# Altium PCB multiplexor.PcbDoc (part 1 of 2) (continued)
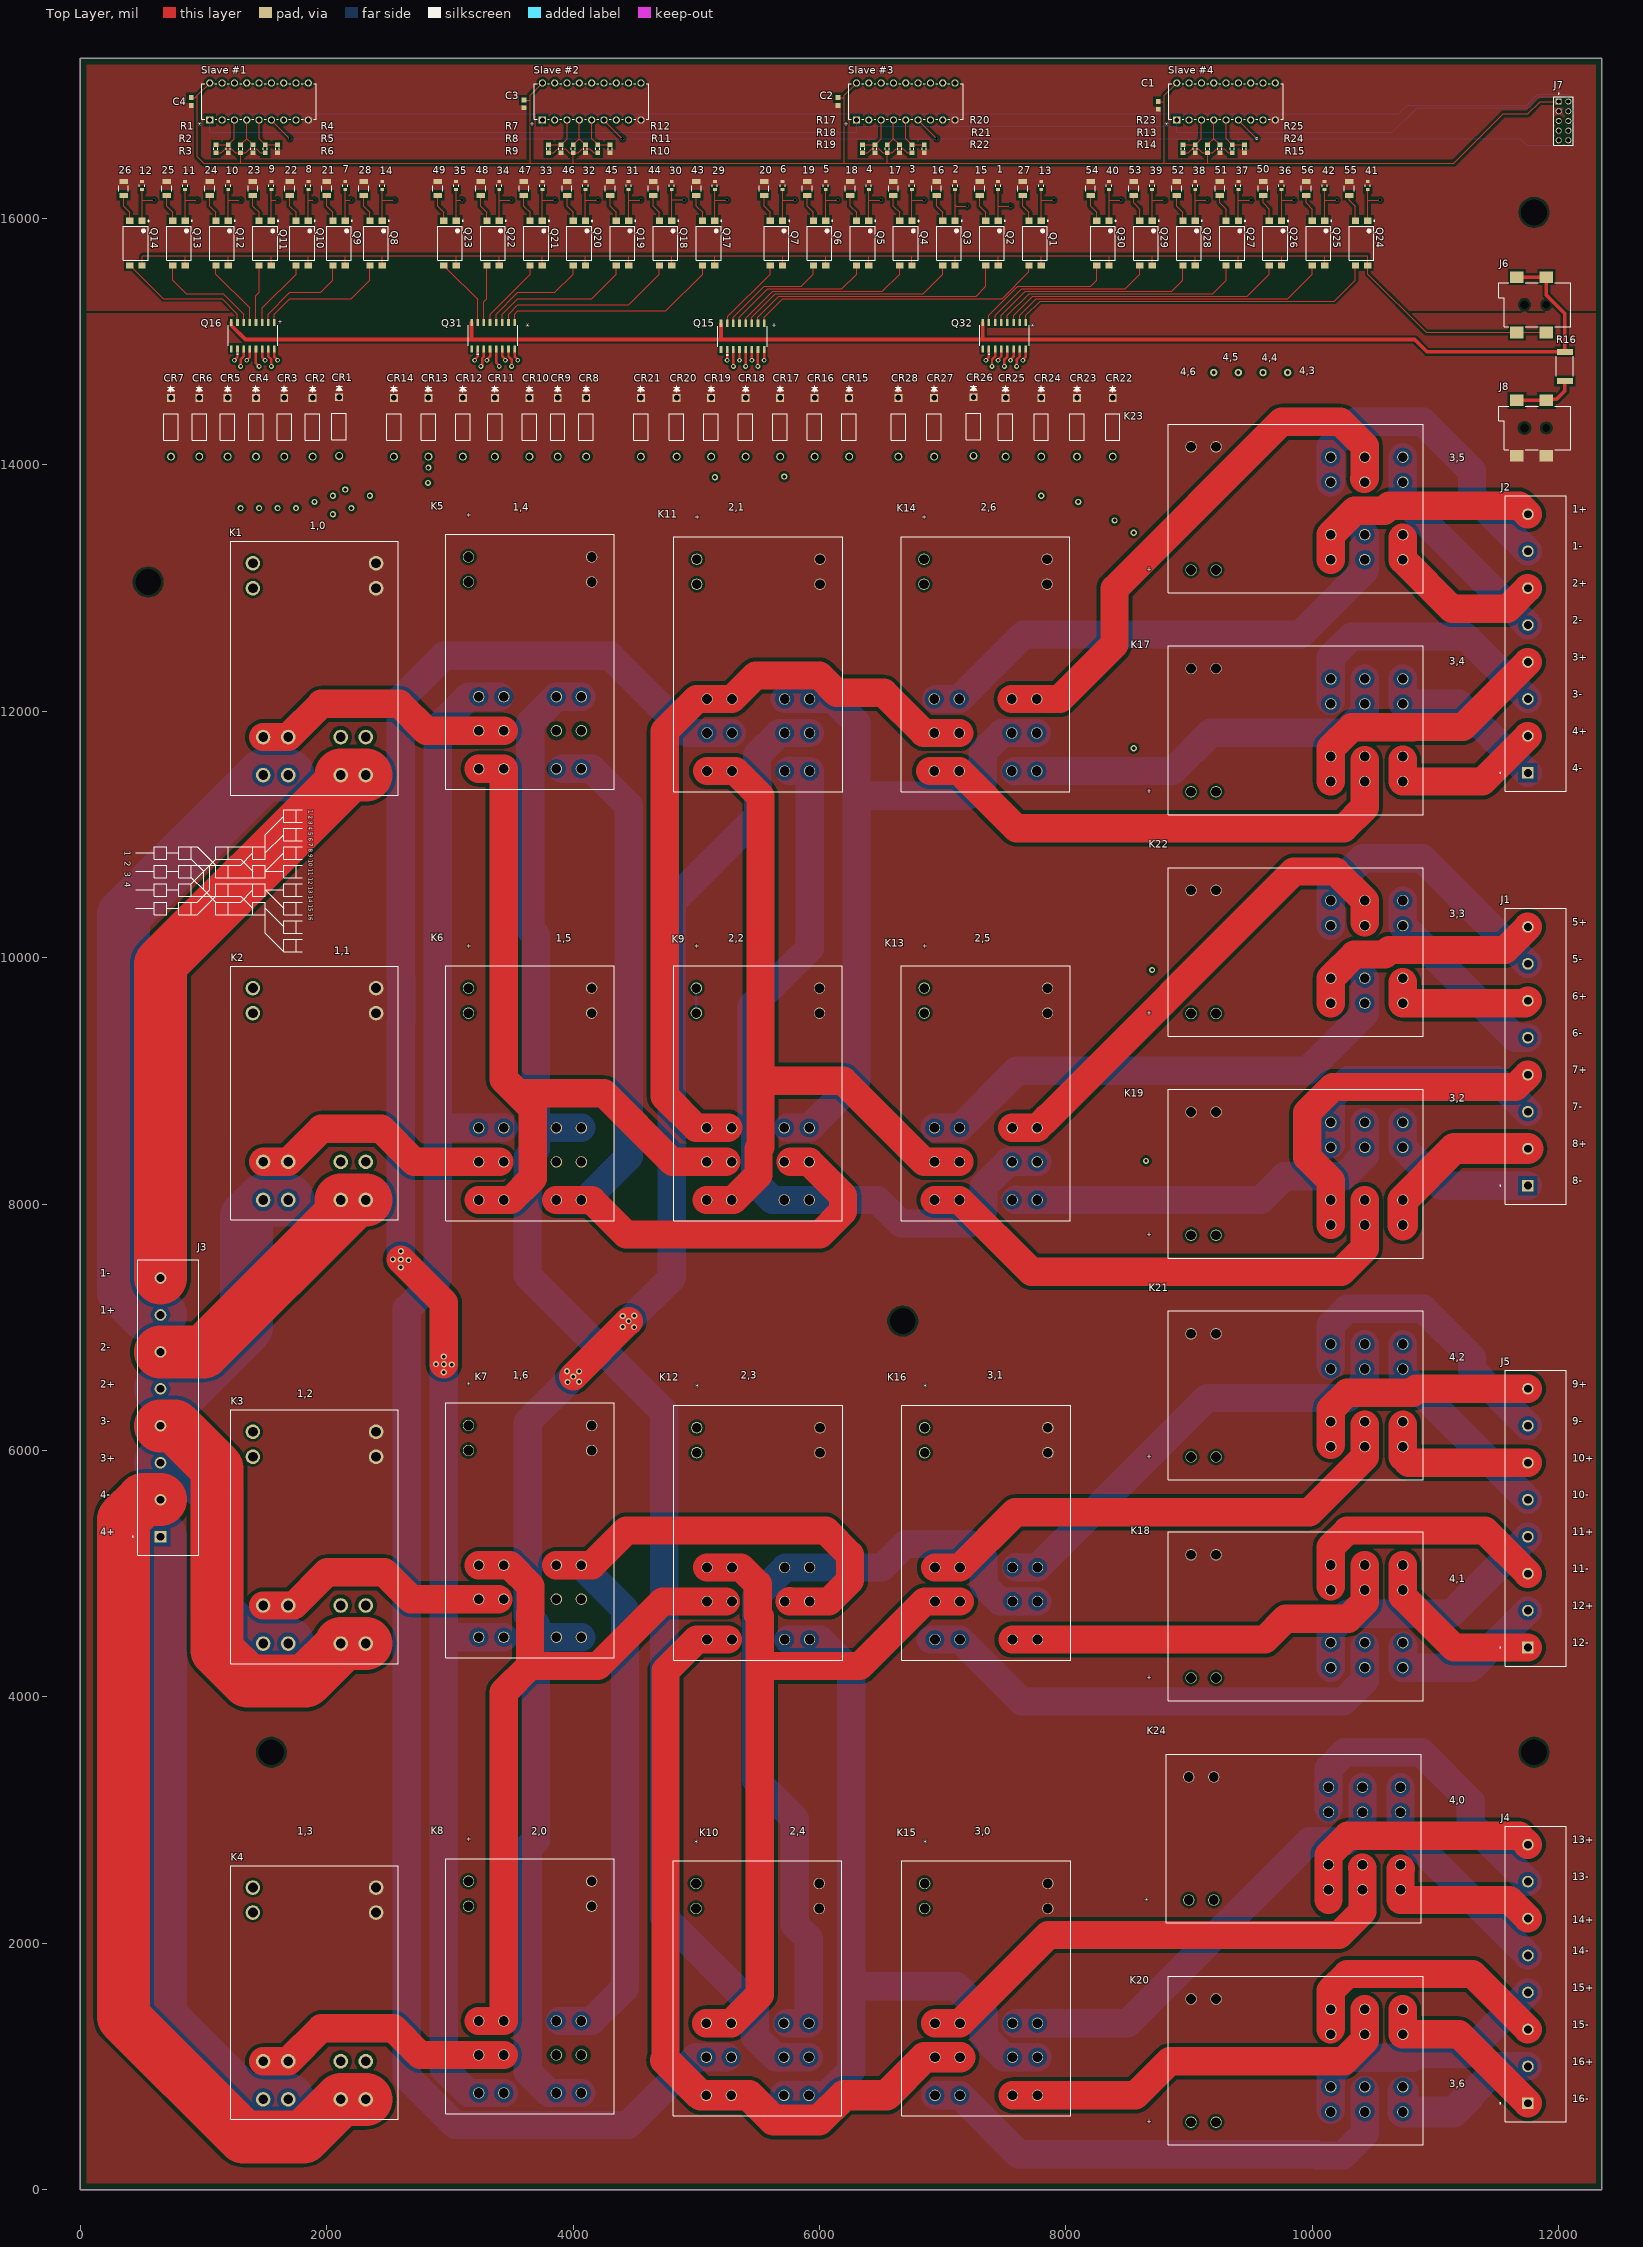
[diagram p0: Top Layer view]
## Classes and differential pairs
net class "High V wires": NetJ1_1 NetJ1_2 NetJ1_3 NetJ1_4 NetJ1_5 NetJ1_6 NetJ1_7 NetJ1_8 NetJ2_1 NetJ2_2 NetJ2_3 NetJ2_4 NetJ2_5 NetJ2_6 NetJ2_7 NetJ2_8 NetJ3_1 NetJ3_2 NetJ3_3 NetJ3_4 NetJ3_5 NetJ3_6 NetJ3_7 NetJ3_8 NetJ4_1 NetJ4_2 NetJ4_3 NetJ4_4 NetJ4_5 NetJ4_6 NetJ4_7 NetJ4_8 NetJ5_1 NetJ5_2 NetJ5_3 NetJ5_4 NetJ5_5 NetJ5_6 NetJ5_7 NetJ5_8 NetK1_4_1 NetK1_8_1 NetK2_4_1 NetK2_8_1 NetK3_4_1 NetK3_8_1 NetK4_4_1 NetK4_8_1 NetK5_3 NetK5_5 NetK5_11 NetK5_13 NetK7_3 NetK7_5 NetK7_11 NetK7_13 NetK9_3 NetK9_5 NetK9_11 NetK9_13 NetK10_3 NetK10_5 NetK10_11 NetK10_13 NetK13_3 NetK13_5 NetK13_11 NetK13_13 NetK14_3 NetK14_5 NetK14_11 NetK14_13 NetK15_3 NetK15_5 NetK15_11 NetK15_13 NetK16_3 NetK16_5 NetK16_11 NetK16_13
component class "relay isolation circuit": 1 2 3 4 5 6 7 8 9 10 11 12 13 14 15 16 17 18 19 20 21 22 23 24 25 26 27 28 29 30 31 32 33 34 35 36 37 38 39 40 41 42 43 44 45 46 47 48 49 50 51 52 53 54 55 56 CR1 CR2 CR3 CR4 CR5 CR6 CR7 CR8 CR9 CR10 CR11 CR12 CR13 CR14 CR15 CR16 CR17 CR18 CR19 CR20 CR21 CR22 CR23 CR24 CR25 CR26 CR27 CR28 Q1 Q2 Q3 Q4 Q5 Q6 Q7 Q8 Q9 Q10 Q11 Q12 Q13 Q14 Q15 Q16 Q17 Q18 Q19 Q20 Q21 Q22 Q23 Q24 Q25 Q26 Q27 Q28 Q29 Q30 Q31 Q32
component class "Relay I2C to GPIO": C1 C2 C3 C4 J6 J7 J8 R1 R2 R3 R4 R5 R6 R7 R8 R9 R10 R11 R12 R13 R14 R15 R16 R17 R18 R19 R20 R21 R22 R23 R24 R25 "Slave #1" "Slave #2" "Slave #3" "Slave #4"
component class "multiplexor circuit": J1 J2 J3 J4 J5 K1 K2 K3 K4 K5 K6 K7 K8 K9 K10 K11 K12 K13 K14 K15 K16 K17 K18 K19 K20 K21 K22 K23 K24

## Components (designator, comment, footprint, x,y, rotation, side; value= is the part's Value field where it differs from the comment)
1 "CL10A106MQ8NNNC" CAP_CL10_SAM 7450,16267.41 r270 top
2 "CL10A106MQ8NNNC" CAP_CL10_SAM 7100,16267.41 r270 top
3 "CL10A106MQ8NNNC" CAP_CL10_SAM 6750,16267.41 r270 top
4 "CL10A106MQ8NNNC" CAP_CL10_SAM 6400,16267.41 r270 top
5 "CL10A106MQ8NNNC" CAP_CL10_SAM 6050,16267.41 r270 top
6 "CL10A106MQ8NNNC" CAP_CL10_SAM 5700,16267.41 r270 top
7 "CL10A106MQ8NNNC" CAP_CL10_SAM 2150,16267.41 r270 top
8 "CL10A106MQ8NNNC" CAP_CL10_SAM 1850,16267.41 r270 top
9 "CL10A106MQ8NNNC" CAP_CL10_SAM 1550,16267.41 r270 top
10 "CL10A106MQ8NNNC" CAP_CL10_SAM 1200,16267.41 r270 top
11 "CL10A106MQ8NNNC" CAP_CL10_SAM 850,16267.41 r270 top
12 "CL10A106MQ8NNNC" CAP_CL10_SAM 500,16267.41 r270 top
13 "CL10A106MQ8NNNC" CAP_CL10_SAM 7800,16267.41 r270 top
14 "CL10A106MQ8NNNC" CAP_CL10_SAM 2450,16267.41 r270 top
15 "RMCF1206FT330R" STA_RMCF1206_STP 7300,16244 r270 top
16 "RMCF1206FT330R" STA_RMCF1206_STP 6950,16244 r270 top
17 "RMCF1206FT330R" STA_RMCF1206_STP 6600,16244 r270 top
18 "RMCF1206FT330R" STA_RMCF1206_STP 6250,16244 r270 top
19 "RMCF1206FT330R" STA_RMCF1206_STP 5900,16244 r270 top
20 "RMCF1206FT330R" STA_RMCF1206_STP 5550,16244 r270 top
21 "RMCF1206FT330R" STA_RMCF1206_STP 2000,16244 r270 top
22 "RMCF1206FT330R" STA_RMCF1206_STP 1700,16244 r270 top
23 "RMCF1206FT330R" STA_RMCF1206_STP 1400,16244 r270 top
24 "RMCF1206FT330R" STA_RMCF1206_STP 1050,16244 r270 top
25 "RMCF1206FT330R" STA_RMCF1206_STP 700,16244 r270 top
26 "RMCF1206FT330R" STA_RMCF1206_STP 350,16244 r270 top
27 "RMCF1206FT330R" STA_RMCF1206_STP 7650,16244 r270 top
28 "RMCF1206FT330R" STA_RMCF1206_STP 2300,16244 r270 top
29 "CL10A106MQ8NNNC" CAP_CL10_SAM 5150,16267.41 r270 top
30 "CL10A106MQ8NNNC" CAP_CL10_SAM 4800,16267.41 r270 top
31 "CL10A106MQ8NNNC" CAP_CL10_SAM 4450,16267.41 r270 top
32 "CL10A106MQ8NNNC" CAP_CL10_SAM 4100,16267.41 r270 top
33 "CL10A106MQ8NNNC" CAP_CL10_SAM 3750,16267.41 r270 top
34 "CL10A106MQ8NNNC" CAP_CL10_SAM 3400,16267.41 r270 top
35 "CL10A106MQ8NNNC" CAP_CL10_SAM 3050,16267.41 r270 top
36 "CL10A106MQ8NNNC" CAP_CL10_SAM 9750,16267.41 r270 top
37 "CL10A106MQ8NNNC" CAP_CL10_SAM 9400,16267.41 r270 top
38 "CL10A106MQ8NNNC" CAP_CL10_SAM 9050,16267.41 r270 top
39 "CL10A106MQ8NNNC" CAP_CL10_SAM 8700,16267.41 r270 top
40 "CL10A106MQ8NNNC" CAP_CL10_SAM 8350,16267.41 r270 top
41 "CL10A106MQ8NNNC" CAP_CL10_SAM 10450,16267.41 r270 top
42 "CL10A106MQ8NNNC" CAP_CL10_SAM 10100,16267.41 r270 top
43 "RMCF1206FT330R" STA_RMCF1206_STP 5000,16244 r270 top
44 "RMCF1206FT330R" STA_RMCF1206_STP 4650,16244 r270 top
45 "RMCF1206FT330R" STA_RMCF1206_STP 4300,16244 r270 top
46 "RMCF1206FT330R" STA_RMCF1206_STP 3950,16244 r270 top
47 "RMCF1206FT330R" STA_RMCF1206_STP 3600,16244 r270 top
48 "RMCF1206FT330R" STA_RMCF1206_STP 3250,16244 r270 top
49 "RMCF1206FT330R" STA_RMCF1206_STP 2900,16244 r270 top
50 "RMCF1206FT330R" STA_RMCF1206_STP 9600,16244 r270 top
51 "RMCF1206FT330R" STA_RMCF1206_STP 9250,16244 r270 top
52 "RMCF1206FT330R" STA_RMCF1206_STP 8900,16244 r270 top
53 "RMCF1206FT330R" STA_RMCF1206_STP 8550,16244 r270 top
54 "RMCF1206FT330R" STA_RMCF1206_STP 8200,16244 r270 top
55 "RMCF1206FT330R" STA_RMCF1206_STP 10300,16244 r270 top
56 "RMCF1206FT330R" STA_RMCF1206_STP 9950,16244 r270 top
C1 "GCM188R71H104KA57D" CAPC1608N_NP 8750,16918.5 r270 top value=100n
C2 "GCM188R71H104KA57D" CAPC1608N_NP 6150,16950 r270 top value=100n
C3 "GCM188R71H104KA57D" CAPC1608N_NP 3600,16931.5 r270 top value=100n
C4 "GCM188R71H104KA57D" CAPC1608N_NP 900,16950 r270 top value=100n
CR1 "1N4007-G" 1N4-G 2100,14550 r270 top
CR2 "1N4007-G" 1N4-G 1885,14545 r270 top
CR3 "1N4007-G" 1N4-G 1655,14545 r270 top
CR4 "1N4007-G" 1N4-G 1425,14545 r270 top
CR5 "1N4007-G" 1N4-G 1195,14545 r270 top
CR6 "1N4007-G" 1N4-G 965,14545 r270 top
CR7 "1N4007-G" 1N4-G 735,14545 r270 top
CR8 "1N4007-G" 1N4-G 4105,14545 r270 top
CR9 "1N4007-G" 1N4-G 3875,14545 r270 top
CR10 "1N4007-G" 1N4-G 3645,14545 r270 top
CR11 "1N4007-G" 1N4-G 3365,14545 r270 top
CR12 "1N4007-G" 1N4-G 3105,14545 r270 top
CR13 "1N4007-G" 1N4-G 2825,14545 r270 top
CR14 "1N4007-G" 1N4-G 2545,14545 r270 top
CR15 "1N4007-G" 1N4-G 6240,14545 r270 top
CR16 "1N4007-G" 1N4-G 5960,14545 r270 top
CR17 "1N4007-G" 1N4-G 5680,14545 r270 top
CR18 "1N4007-G" 1N4-G 5400,14545 r270 top
CR19 "1N4007-G" 1N4-G 5120,14545 r270 top
CR20 "1N4007-G" 1N4-G 4840,14545 r270 top
CR21 "1N4007-G" 1N4-G 4550,14545 r270 top
CR22 "1N4007-G" 1N4-G 8380,14545 r270 top
CR23 "1N4007-G" 1N4-G 8090,14545 r270 top
CR24 "1N4007-G" 1N4-G 7800,14545 r270 top
CR25 "1N4007-G" 1N4-G 7510,14545 r270 top
CR26 "1N4007-G" 1N4-G 7250,14550 r270 top
CR27 "1N4007-G" 1N4-G 6930,14545 r270 top
CR28 "1N4007-G" 1N4-G 6640,14545 r270 top
J1 "TB005-762-08BE" CUI_TB005-762-08BE 11750,8150 r90 top
J2 "TB005-762-08BE" CUI_TB005-762-08BE 11750,11500 r90 top
J3 "TB005-762-08BE" CUI_TB005-762-08BE 650,5300 r90 top
J4 "TB005-762-08BE" CUI_TB005-762-08BE 11750,700 r90 top
J5 "TB005-762-08BE" CUI_TB005-762-08BE 11750,4400 r90 top
J6 "PJ-002AH-SMT" PJ-002AH-SMT 11900,15300 r180 top
J7 "" 10pinheader 12000,16950 r270 top
J8 "PJ-002AH-SMT" PJ-002AH-SMT 11900,14300 r180 top
K1 "6-1423008-7" RELAY_6-1423008-7 1900,12350 r270 top
K2 "6-1423008-7" RELAY_6-1423008-7 1900,8901.18 r270 top
K3 "6-1423008-7" RELAY_6-1423008-7 1900,5300 r270 top
K4 "6-1423008-7" RELAY_6-1423008-7 1900,1600 r270 top
K5 "T92S11D12-24" T92S11D12-24_TEC-CORRECTED 3150,13253 r0 top
K6 "T92S11D12-24" T92S11D12-24_TEC-CORRECTED 3150,9753 r0 top
K7 "T92S11D12-24" T92S11D12-24_TEC-CORRECTED 3150,6203 r0 top
K8 "T92S11D12-24" T92S11D12-24_TEC-CORRECTED 3150,2503 r0 top
K9 "T92S11D12-24" T92S11D12-24_TEC-CORRECTED 5000,9753 r0 top
K10 "T92S11D12-24" T92S11D12-24_TEC-CORRECTED 4997,2484.5 r0 top
K11 "T92S11D12-24" T92S11D12-24_TEC-CORRECTED 5003,13234.5 r0 top
K12 "T92S11D12-24" T92S11D12-24_TEC-CORRECTED 5003,6184.5 r0 top
K13 "T92S11D12-24" T92S11D12-24_TEC-CORRECTED 6850,9753 r0 top
K14 "T92S11D12-24" T92S11D12-24_TEC-CORRECTED 6847,13234.5 r0 top
K15 "T92S11D12-24" T92S11D12-24_TEC-CORRECTED 6853,2484.5 r0 top
K16 "T92S11D12-24" T92S11D12-24_TEC-CORRECTED 6853,6184.5 r0 top
K17 "T92S11D12-24" T92S11D12-24_TEC-CORRECTED 9015.5,11347 r90 top
K18 "T92S11D12-24" T92S11D12-24_TEC-CORRECTED 9015.5,4153 r90 top
K19 "T92S11D12-24" T92S11D12-24_TEC-CORRECTED 9015.5,7747 r90 top
K20 "T92S11D12-24" T92S11D12-24_TEC-CORRECTED 9015.5,547 r90 top
K21 "T92S11D12-24" T92S11D12-24_TEC-CORRECTED 9015.5,5947 r90 top
K22 "T92S11D12-24" T92S11D12-24_TEC-CORRECTED 9015.5,9547 r90 top
K23 "T92S11D12-24" T92S11D12-24_TEC-CORRECTED 9015.5,13147 r90 top
K24 "T92S11D12-24" T92S11D12-24_TEC-CORRECTED 8997,2350 r90 top
Q1 "FOD817DSD" FP-709AH-MFG 7750,15800 r270 top
Q2 "FOD817DSD" FP-709AH-MFG 7400,15800 r270 top
Q3 "FOD817DSD" FP-709AH-MFG 7050,15800 r270 top
Q4 "FOD817DSD" FP-709AH-MFG 6700,15800 r270 top
Q5 "FOD817DSD" FP-709AH-MFG 6350,15800 r270 top
Q6 "FOD817DSD" FP-709AH-MFG 6000,15800 r270 top
Q7 "FOD817DSD" FP-709AH-MFG 5650,15800 r270 top
Q8 "FOD817DSD" FP-709AH-MFG 2400,15800 r270 top
Q9 "FOD817DSD" FP-709AH-MFG 2100,15800 r270 top
Q10 "FOD817DSD" FP-709AH-MFG 1800,15800 r270 top
Q11 "FOD817DSD" FP-709AH-MFG 1500,15800 r270 top
Q12 "FOD817DSD" FP-709AH-MFG 1150,15800 r270 top
Q13 "FOD817DSD" FP-709AH-MFG 800,15800 r270 top
Q14 "FOD817DSD" FP-709AH-MFG 450,15800 r270 top
Q15 "MC1413BDR2G" SOIC16_751B-05_ONS 5375,15042.75 r270 top
Q16 "MC1413BDR2G" SOIC16_751B-05_ONS 1400,15050 r270 top
Q17 "FOD817DSD" FP-709AH-MFG 5100,15800 r270 top
Q18 "FOD817DSD" FP-709AH-MFG 4750,15800 r270 top
Q19 "FOD817DSD" FP-709AH-MFG 4400,15800 r270 top
Q20 "FOD817DSD" FP-709AH-MFG 4050,15800 r270 top
Q21 "FOD817DSD" FP-709AH-MFG 3700,15800 r270 top
Q22 "FOD817DSD" FP-709AH-MFG 3350,15800 r270 top
Q23 "FOD817DSD" FP-709AH-MFG 3000,15800 r270 top
Q24 "FOD817DSD" FP-709AH-MFG 10400,15800 r270 top
Q25 "FOD817DSD" FP-709AH-MFG 10050,15800 r270 top
Q26 "FOD817DSD" FP-709AH-MFG 9700,15800 r270 top
Q27 "FOD817DSD" FP-709AH-MFG 9350,15800 r270 top
Q28 "FOD817DSD" FP-709AH-MFG 9000,15800 r270 top
Q29 "FOD817DSD" FP-709AH-MFG 8650,15800 r270 top
Q30 "FOD817DSD" FP-709AH-MFG 8300,15800 r270 top
Q31 "MC1413BDR2G" SOIC16_751B-05_ONS 3350,15050 r270 top
Q32 "MC1413BDR2G" SOIC16_751B-05_ONS 7500,15050 r270 top
R1 "0603_k4.7K" RESC1608N 1100,16566.54 r90 top value=4.7K
R2 "0603_k4.7K" RESC1608N 1200,16566.54 r90 top value=4.7K
R3 "0603_k4.7K" RESC1608N 1300,16566.54 r90 top value=4.7K
R4 "0603_k4.7K" RESC1608N 1400,16566.54 r90 top value=4.7K
R5 "0603_k4.7K" RESC1608N 1500,16566.54 r90 top value=4.7K
R6 "0603_k4.7K" RESC1608N 1600,16566.54 r90 top value=4.7K
R7 "0603_k4.7K" RESC1608N 3800,16566.54 r90 top value=4.7K
R8 "0603_k4.7K" RESC1608N 3900,16566.54 r90 top value=4.7K
R9 "0603_k4.7K" RESC1608N 4000,16566.54 r90 top value=4.7K
R10 "0603_k4.7K" RESC1608N 4100,16566.54 r90 top value=4.7K
R11 "0603_k4.7K" RESC1608N 4200,16566.54 r90 top value=4.7K
R12 "0603_k4.7K" RESC1608N 4300,16566.54 r90 top value=4.7K
R13 "0603_k4.7K" RESC1608N 8950,16566.54 r90 top value=4.7K
R14 "0603_k4.7K" RESC1608N 9050,16566.54 r90 top value=4.7K
R15 "0603_k4.7K" RESC1608N 9150,16566.54 r90 top value=4.7K
R16 "CR2512-J/-000ELF" BO_CR2512 12050,14800 r270 top
R17 "0603_k4.7K" RESC1608N 6350,16566.54 r90 top value=4.7K
R18 "0603_k4.7K" RESC1608N 6450,16566.54 r90 top value=4.7K
R19 "0603_k4.7K" RESC1608N 6550,16566.54 r90 top value=4.7K
R20 "0603_k4.7K" RESC1608N 6650,16566.54 r90 top value=4.7K
R21 "0603_k4.7K" RESC1608N 6750,16566.54 r90 top value=4.7K
R22 "0603_k4.7K" RESC1608N 6850,16566.54 r90 top value=4.7K
R23 "0603_k4.7K" RESC1608N 9250,16566.54 r90 top value=4.7K
R24 "0603_k4.7K" RESC1608N 9350,16566.54 r90 top value=4.7K
R25 "0603_k4.7K" RESC1608N 9450,16566.54 r90 top value=4.7K
"Slave #1" "MCP23008-E/P" PDIP18_300MC_MCH 1050,16800 r90 top
"Slave #2" "MCP23008-E/P" PDIP18_300MC_MCH 3750,16800 r90 top
"Slave #3" "MCP23008-E/P" PDIP18_300MC_MCH 6300,16800 r90 top
"Slave #4" "MCP23008-E/P" PDIP18_300MC_MCH 8900,16800 r90 top

## Footprints (in the part's own frame and the unit in brackets; to place one, negate y for a bottom-side part, rotate by r counter-clockwise, add the part's x,y. Pads: shape width x height; smd on the part's side, far side on the other; paste and mask are expansions set on the pad)
1N4-G [mil]
  rect 64x64 hole 44 mask+0: 1(0,0)
  round 64 hole 44 mask+0: 2(477,0)
  silkscreen extent -97,-58 346,59, body extent 0,0 10,10, height 10
10pinheader [mm]
  rect 1.239x1.239 hole 0.889: 01(0,0)
  round 1.239 hole 0.889: 02(0,2) 03(2,0) 04(2,2) 05(4,0) 06(4,2) 07(6,0) 08(6,2) 09(8,0) 10(8,2)
  silkscreen extent -1.75,-0.99 9,3
BO_CR2512 [mil]
  rect 48x130 smd paste+0 mask+0: 1(-118,0) 2(118,0)
  silkscreen extent -82,-70 82,70, body extent -128,-65 128,65, height 30
CAP_CL10_SAM [mm]
  rect 0.656x0.8 smd paste+0 mask+0: 1(-0.828,0) 2(0.828,0)
  silkscreen extent -0.19,-0.53 0.19,0.53, body extent -0.8,-0.4 0.8,0.4, height 0.9
CAPC1608N_NP [mm] "Chip Capacitor, Body 1.6x0.8mm, IPC Medium Density"
  rect 1x1 smd: 1(-0.8,0) 2(0.8,0)
  body extent -0.87,-0.48 0.87,0.48, height 0.85
CUI_TB005-762-08BE [mm]
  rect 2.4x2.4 hole 1.6: 1(0,0)
  round 2.4 hole 1.6: 2(7.62,0) 3(15.24,0) 4(22.86,0) 5(30.48,0) 6(38.1,0) 7(45.72,0) 8(53.34,0)
  silkscreen extent -3.81,-7.9 57.15,5.8
FP-709AH-MFG [mm]
  rect 1.3x1.5 smd paste+0 mask+0: 1(-4.6,1.27) 2(-4.6,-1.27) 3(4.6,-1.27) 4(4.6,1.27)
  silkscreen extent -4.72,-2.55 3.5,2.75, body extent -5.35,-2.65 5.35,2.65, height 0.25
PDIP18_300MC_MCH [mil]
  rect 59x59 hole 39 mask+0: 1(0,0)
  round 59 hole 39 mask+0: 2(0,-100) 3(0,-200) 4(0,-300) 5(0,-400) 6(0,-500) 7(0,-600) 8(0,-700) 9(0,-800) 10(300,-800) 11(300,-700) 12(300,-600) 13(300,-500) 14(300,-400) 15(300,-300) 16(300,-200) 17(300,-100) 18(300,0)
  silkscreen extent 5,-865 295,65, body extent -5,-860 315,60, height 215
PJ-002AH-SMT [mm] "Footprint for 2.1mm x 5.5mm Barel Jack can be used for other parts besides PJ-002AH-SMT"
  rect 2.8x2.4 smd: 1(0,5.7) 1(6.1,5.7) 2(0,-5.7) 3(6.1,-5.7)
  round 0 hole 1.6 unplated: 4(0,0)
  round 1.6 hole 1.8 unplated: 5(4.5,0)
  silkscreen extent -5,-4.5 9.8,4.5, body extent -5,-6.3 9.8,6.3, height 11
RELAY_6-1423008-7 [mm]
  round 3.009 hole 2.006: 0_1(-16.48,12.7) 0_2(-21.64,12.7) 1_1(-16.48,-12.7) 1_2(-21.64,-12.7) 2_1(22.04,5.42) 2_2(22.04,10.58) 4_1(14.19,5.42) 4_2(14.19,10.58) 6_1(22.04,-10.58) 6_2(22.04,-5.42) 8_1(14.19,-10.58) 8_2(14.19,-5.42)
  silkscreen extent -26.16,-17.27 26.16,17.27
RESC1608N [mm] "Chip Resistor, Body 1.6x0.8mm, IPC Medium Density"
  rect 0.9x1 smd: 1(-0.85,0) 2(0.85,0)
  silkscreen extent -0.2,-0.4 0.2,0.4, body extent -0.85,-0.48 0.85,0.48, height 0.6
SOIC16_751B-05_ONS [mil]
  rect 57.5x21 smd paste+0 mask+0: 1(-107.25,175) 2(-107.25,125) 3(-107.25,75) 4(-107.25,25) 5(-107.25,-25) 6(-107.25,-75) 7(-107.25,-125) 8(-107.25,-175) 9(107.25,-175) 10(107.25,-125) 11(107.25,-75) 12(107.25,-25) 13(107.25,25) 14(107.25,75) 15(107.25,125) 16(107.25,175)
  silkscreen extent -84,-202 156,202, body extent -122,-196 122,196, height 69
STA_RMCF1206_STP [mil]
  rect 40x69 smd paste+0 mask+0: 1(-56,0) 2(56,0)
  silkscreen extent -24,-40 24,40, body extent -68,-34 68,34, height 28
T92S11D12-24_TEC-CORRECTED [mil]
  round 92 hole 79: 1(0,0) 2(0,-203) 3(83.58,-1134.5) 4(286.58,-1134.5) 5(83.58,-1719.5) 6(286.58,-1719.5) 7(83.58,-1410.5) 8(286.58,-1410.5) 9(916.42,-1410.5) 10(713.42,-1410.5) 11(916.42,-1719.5) 12(713.42,-1719.5) 13(916.42,-1134.5) 14(713.42,-1134.5) 15(1000,-203) 16(1000,0)
  silkscreen extent -185,-1886 1185,184, body extent 0,0 10,10, height 10

## Part data
1 2 3 4 5 6 7 8 9 10 11 12 13 14 29 30 31 32 33 34 35 36 37 38 39 40 41 42: "No Description Available", Mfr_Name=Samsung, Copyright="Copyright (C) 2022 Ultra Librarian. All rights reserved.", Digi-Key_Part_Number_1=1276-1119-2-ND, Digi-Key_Part_Number_2=1276-1119-1-ND, Digi-Key_Part_Number_3=1276-1119-6-ND, Manufacturer_Part_Number=CL10A106MQ8NNNC, RefDes=RefDes, Type=DEV
15 16 17 18 19 20 21 22 23 24 25 26 27 28 43 44 45 46 47 48 49 50 51 52 53 54 55 56: "No Description Available", Mfr_Name="Stackpole International", Copyright="Copyright (C) 2022 Ultra Librarian. All rights reserved.", Digi-Key_Part_Number_1=RMCF1206FT330RCT-ND, Digi-Key_Part_Number_2=RMCF1206FT330RDKR-ND, Digi-Key_Part_Number_3=RMCF1206FT330RTR-ND, Manufacturer_Part_Number=RMCF1206FT330R, RefDes=RefDes, Type=DEV
C1 C2 C3 C4: library part CAP_n100n_0603_50V, "Cap 100nF, 50V, X7R, Ceramic, 1608(0603)", DIELECTRIC=X7R, Manufacturer="Murata Electronics North America", Supplier Part Number 1=490-4779-1-ND, TOLERANCE=10%, Value_Sort=100e-9, VOLTAGE=50, ComponentLink1Description=Datasheet, ComponentLink1URL=http://search.murata.co.jp/Ceramy/image/img/PDF/ENG/GCM188R71H104KA57.pdf, HelpURL=http://search.digikey.com/scripts/DkSearch/dksus.dll?Detail&name=490-4779-1-ND, LatestRevisionAuthor="David Class", Manufacturer Part Number=GCM188R71H104KA57D, PackageReference=1608[0603], Supplier 1=Digi-Key, TEXT="50V  0603"
CR1 CR2 CR3 CR4 CR5 CR6 CR7 CR8 CR9 CR10 CR11 CR12 CR13 CR14 CR15 CR16 CR17 CR18 CR19 CR20 CR21 CR22 CR23 CR24 CR25 CR26 CR27 CR28: "No Description Available", Mfr_Name=Comchip, Copyright="Copyright (C) 2022 Ultra Librarian. All rights reserved.", Digi-Key_Part_Number_1=641-1312-1-ND, Digi-Key_Part_Number_2=641-1312-3-ND, Manufacturer_Part_Number=1N4007-G, RefDes=RefDes, Type=DEV
J1 J2 J3 J4 J5: Package=None, Availability=Unavailable, MP=TB005-762-08BE, Price=None
J6 J8: "2.1mm x 5.5mm Barrel Jack 5A@24V 30mOhm Contact Resistance", Manufacturer="CUI Inc", Supplier Part Number 1=CP-002AHPJCT-ND, ComponentLink1Description=Datasheet, ComponentLink1URL=http://www.cui.com/pdffiles/PJ-002AH-SMT.pdf, ComponentLink2Description="Manufacturer Website", ComponentLink2URL=http://www.cui.com/adtemplate.asp?invky=501659, HelpURL=http://search.digikey.com/scripts/DkSearch/dksus.dll?Detail&name=CP-002AHPJCT-ND, LatestRevisionAuthor="David Class", LatestRevisionComment="rev2 - decresed hole size by .1mm check footprint", LatestRevisionDate=24-Nov-09, Manufacturer Part Number=PJ-002AH-SMT, Mounting Type=SM, Supplier 1=Digi-Key
J7: library part TMMH-105-01-F-D, "TMMH-105-01-F-D", Package=None, Availability=Unavailable, MP=TMMH-105-01-F-D, Price=None
K1 K2 K3 K4: "General Purpose Relay DPST-NO (2 Form A) 24VDC Coil Through Hole", Package=None, Availability="In Stock", Check_prices=https://www.snapeda.com/parts/6-1423008-7/TE%20Connectivity/view-part/6301405/?ref=eda, MF="TE Connectivity / P&B", MP=6-1423008-7, Price=None, Purchase-URL=https://pricing.snapeda.com/search/part/6-1423008-7/?ref=eda, SnapEDA_Link=https://www.snapeda.com/parts/6-1423008-7/TE%20Connectivity/view-part/6301405/?ref=snap
K5 K6 K7 K8 K9 K10 K11 K12 K13 K14 K15 K16 K17 K18 K19 K20 K21 K22 K23 K24: "No Description Available", Mfr_Name="TE Connectivity", Copyright="Copyright (C) 2022 Ultra Librarian. All rights reserved.", Digi-Key_Part_Number_1=PB352-ND, Manufacturer_Part_Number=T92S11D12-24, RefDes=RefDes, Type=DEV
Q1 Q2 Q3 Q4 Q5 Q6 Q7 Q8 Q9 Q10 Q11 Q12 Q13 Q14 Q17 Q18 Q19 Q20 Q21 Q22 Q23 Q24 Q25 Q26 Q27 Q28 Q29 Q30: library part CMP-2000-06281-2, "OPTOISOLATOR 5KV TRANSISTOR 4SMD", Collector Emitter Voltage=70V, Emiiter Collector Voltage=6V, Forward Current=50mA, Forward Voltage=1.2V, Isolation Voltage=5000Vrms, Manufacturer="ON Semiconductor", Max Current Transfer Ratio=600%, Max Junction Temp=+125°C, Min Current Transfer Ratio=300%, Package=709AH, Power Dissipation=70mW, Temperature="-55°C to +110°C", Temperature Range High=+110°C, Temperature Range Low=-55°C, Automotive=No, Category=Trans, ComponentLink2Description=Datasheet, ComponentLink2URL=https://www.onsemi.cn/PowerSolutions/document/FOD814-D.PDF, Device Class L1=Optoelectronics, Device Class L2=Optocouplers, Device Class L3=unset, Digikey Description="OPTOISOLATOR 5KV TRANSISTOR 4SMD", Footprint Url=https://www.onsemi.com/pub/Collateral/709AH.PDF, Height=3.85mm, Lead Free=Yes, Manufacturer Part Number=FOD817DSD, Mouser Description="OPTOISOLATOR 5KV TRANSISTOR 4SMD", Octopart=https://octopart.com/fod817dsd-on+semiconductor-84327554, Reverse Voltage=6V, RoHS=TRUE, Standoff Height=0.35mm
Q15 Q16 Q31 Q32: "No Description Available", Mfr_Name=onsemi, Copyright="Copyright (C) 2022 Ultra Librarian. All rights reserved.", Digi-Key_Part_Number_1=MC1413BDR2GOSCT-ND, Digi-Key_Part_Number_2=MC1413BDR2GOSDKR-ND, Digi-Key_Part_Number_3=MC1413BDR2GOSTR-ND, Manufacturer_Part_Number=MC1413BDR2G, RefDes=RefDes, Type=DEV
R1 R2 R3 R4 R5 R6 R7 R8 R9 R10 R11 R12 R13 R14 R15 R17 R18 R19 R20 R21 R22 R23 R24 R25: "RES 4.7K OHM 1/10W 1% 0603 SMD", Manufacturer="Vishay Dale", Manufacturer Part Number=CRCW06034K70FKEA, Package / Case="0603 (1608 Metric)", Power (Watts)="0.1W, 1/10W", Resistance (Ohms)=4.7k, Supplier Part Number 1=541-4.70KHCT-ND, Temperature Coefficient=±100ppm/°C, TOLERANCE=±1%, Value_Sort=4700, Category=Resistors, ComponentLink1Description=http://www.vishay.com/doc?20035, ComponentLink1URL=http://www.vishay.com/doc?20035, Composition="Thick Film", Features="Automotive AEC-Q200 Qualified", Height="0.020\" (0.50mm)", Number of Terminations=2, Packaging="Cut Tape (CT)", Pricing 1="10=0.081, 50=0.0436, 200=0.0251, 1000=0.01711 (USD)", RoHS="RoHS Compliant", Size / Dimension="0.061\" L x 0.033\" W (1.55mm x 0.85mm)", Stock 1=56790, Supplier 1=Digi-Key, Supplier Device Package="0603 (1608 Metric)", TEXT="1% 0603"
R16: "No Description Available", Mfr_Name="Bourns Electronics", Copyright="Copyright (C) 2022 Ultra Librarian. All rights reserved.", Digi-Key_Part_Number_1=CR2512-J/-000ELFCT-ND, Digi-Key_Part_Number_2=CR2512-J/-000ELFDKR-ND, Digi-Key_Part_Number_3=CR2512-J/-000ELFTR-ND, Manufacturer_Part_Number=CR2512-J/-000ELF, RefDes=RefDes, Type=DEV
"Slave #1" "Slave #2" "Slave #3" "Slave #4": "No Description Available", Mfr_Name=Microchip, Copyright="Copyright (C) 2022 Ultra Librarian. All rights reserved.", Digi-Key_Part_Number_1=MCP23008-E/P-ND, Manufacturer_Part_Number=MCP23008-E/P, RefDes=RefDes, Type=DEV

## Free pads (board coordinates)
  round 60 hole 30: 2(9400,14750) 3(9600,14750) 4(9800,14750) 5(9200,14750)
  round 60 hole 208.66 unplated: 12(1550,3550) 13(11800,3550) 14(11800,16050) 16(550,13050) 17(6675,7050)

## Via types
v1: diameter 50, hole 28, Top Layer to Bottom Layer, 41 vias
v2: diameter 22, hole 22, Top Layer to Bottom Layer, 31 vias
v3: diameter 40, hole 20, Top Layer to Bottom Layer, 28 vias
v4: diameter 22, hole 10, Top Layer to Bottom Layer, 1 vias

## Nets (pads, with @x,y where several pads share a name; then routed paths per layer and width w, separated by ;. In a path a pad name is that pad's centre, name@x,y a point inside that pad or via, vN(x,y) a via of type N, cw(c..) or ccw(c..) an arc to the next point about the centre after c; other vN are vias at no path point)
+3.3: "Slave #1.18" "Slave #2.18" "Slave #3.18" "Slave #4.18" C1.1 C2.1 C3.1 C4.1 J7.01 R1.1 R3.1 R5.1 R7.1 R9.1 R11.1 R13.1 R15.1 R17.1 R19.1 R21.1 R24.1 | length 16349
  Top Layer w10: C4.1@900,16981.5 931.5,16981.5 950,17000 ; 1050,17100 950,17000 ; R1.1@1100,16533.07 1141.39,16533.07 1174.1,16565.79 1225.9,16565.79 1258.61,16533.07 R3.1@1300,16533.07 ; R5.1@1500,16533.07 1458.61,16533.07 1425.9,16565.79 1374.1,16565.79 1341.39,16533.07 R3.1@1300,16533.07 ; C3.1@3600,16962.99 3604.41,16958.58 3650,16958.58 ; 3750,17100 3650,17000 3650,16958.58 ; R7.1@3800,16533.07 3841.39,16533.07 3874.1,16565.79 3934.21,16565.79 3966.93,16533.07 R9.1@4000,16533.07 ; R11.1@4200,16533.07 4166.93,16533.07 4134.21,16565.79 4074.1,16565.79 4041.39,16533.07 R9.1@4000,16533.07 ; C2.1@6150,16981.5 6150.72,16980.78 6200,16980.78 ; 6300,17100 6200,17000 6200,16980.78 ; R17.1@6350,16533.07 6391.39,16533.07 6424.1,16565.79 6479.27,16565.79 6511.98,16533.07 R19.1@6550,16533.07 ; R21.1@6750,16533.07 6711.98,16533.07 6679.27,16565.79 6624.1,16565.79 6591.39,16533.07 R19.1@6550,16533.07 ; C1.1@8750,16950 8794.14,16950 ; 8900,17100 8800,17000 8800,16450 ; R13.1@8950,16533.07 8991.39,16533.07 9024.1,16565.79 9075.9,16565.79 9108.61,16533.07 R15.1@9150,16533.07 ; R24.1@9350,16533.07 9316.93,16533.07 9284.21,16565.79 9224.1,16565.79 9191.39,16533.07 R15.1@9150,16533.07 ; J7.01@12000,16950 11850,16950 11750,16850 11550,16850 11150,16450 9150,16450 ; 950,17000 950,16500 1000,16450 1300,16450 ; 1300,16450 3655.86,16450 ; 1300,16450 R3.1@1300,16533.07 ; 3650,16958.58 3650,16455.86 3655.86,16450 ; 3655.86,16450 4000,16450 ; 4000,16450 6200,16450 ; 4000,16450 R9.1@4000,16533.07 ; 6200,16450 6550,16450 ; 6200,16450 6200,16980.78 ; 6550,16450 8800,16450 ; 6550,16450 R19.1@6550,16533.07 ; 8800,16450 9150,16450 ; 9150,16450 R15.1@9150,16533.07
+5vr: J6.1 Q1.4 Q2.4 Q3.4 Q4.4 Q5.4 Q6.4 Q7.4 Q8.4 Q9.4 Q10.4 Q11.4 Q12.4 Q13.4 Q14.4 Q17.4 Q18.4 Q19.4 Q20.4 Q21.4 Q22.4 Q23.4 Q24.4 Q25.4 Q26.4 Q27.4 Q28.4 Q29.4 Q30.4 | length 13934.1
  Top Layer w10: Q14.4@500,15618.9 500,15694.14 505.86,15700 852.93,15700 ; Q13.4@850,15618.9 850,15697.07 852.93,15700 ; Q12.4@1200,15618.9 1200,15700 ; Q11.4@1550,15618.9 1550,15700 ; Q10.4@1850,15618.9 1850,15700 ; Q9.4@2150,15618.9 2150,15700 ; Q8.4@2450,15618.9 2450,15700 ; Q23.4@3050,15618.9 3050,15700 ; Q22.4@3400,15618.9 3400,15700 ; Q21.4@3750,15618.9 3750,15700 ; Q20.4@4100,15618.9 4100,15700 ; Q19.4@4450,15618.9 4450,15700 ; Q18.4@4800,15618.9 4800,15700 ; Q17.4@5150,15618.9 5150,15700 ; Q7.4@5700,15618.9 5700,15700 ; Q6.4@6050,15618.9 6050,15700 ; Q5.4@6400,15618.9 6400,15700 ; Q4.4@6750,15618.9 6750,15700 ; Q3.4@7100,15618.9 7100,15700 ; Q2.4@7450,15618.9 7450,15700 ; Q1.4@7800,15618.9 7800,15700 ; Q30.4@8350,15618.9 8350,15700 ; Q29.4@8700,15618.9 8700,15700 ; Q28.4@9050,15618.9 9050,15700 ; Q27.4@9400,15618.9 9400,15700 ; Q26.4@9750,15618.9 9750,15700 ; Q25.4@10100,15618.9 10100,15700 ; J6.1@11900,15075.59 J6.1@11659.84,15075.59 10924.41,15075.59 10450,15550 Q24.4@10450,15618.9 10450,15700 10100,15700 ; 852.93,15700 1200,15700 ; 1200,15700 1550,15700 ; 1550,15700 1850,15700 ; 1850,15700 2150,15700 ; 2150,15700 2450,15700 ; 2450,15700 3050,15700 ; 3050,15700 3400,15700 ; 3400,15700 3750,15700 ; 3750,15700 4100,15700 ; 4100,15700 4450,15700 ; 4450,15700 4800,15700 ; 4800,15700 5150,15700 ; 5150,15700 5700,15700 ; 5700,15700 6050,15700 ; 6050,15700 6400,15700 ; 6400,15700 6750,15700 ; 6750,15700 7100,15700 ; 7100,15700 7450,15700 ; 7450,15700 7800,15700 ; 7800,15700 8350,15700 ; 8350,15700 8700,15700 ; 8700,15700 9050,15700 ; 9050,15700 9400,15700 ; 9400,15700 9750,15700 ; 9750,15700 10100,15700
+19: CR1.1 CR2.1 CR3.1 CR4.1 CR5.1 CR6.1 CR7.1 CR8.1 CR9.1 CR10.1 CR11.1 CR12.1 CR13.1 CR14.1 CR15.1 CR16.1 CR17.1 CR18.1 CR19.1 CR20.1 CR21.1 CR22.1 CR23.1 CR24.1 CR25.1 CR26.1 CR27.1 CR28.1 J7.07 J7.08 J7.09 J7.10 J8.1 K1.0_1 K1.0_2 K2.0_1 K2.0_2 K3.0_1 K3.0_2 K4.0_1 K4.0_2 K5.15 K5.16 K6.15 K6.16 K7.15 K7.16 K8.15 K8.16 K9.15 K9.16 K10.15 K10.16 K11.15 K11.16 K12.15 K12.16 K13.15 K13.16 K14.15 K14.16 K15.15 K15.16 K16.15 K16.16 K17.15 K17.16 K18.15 K18.16 K19.15 K19.16 K20.15 K20.16 K21.15 K21.16 K22.15 K22.16 K23.15 K23.16 K24.15 K24.16
GND: 1.1 2.1 3.1 4.1 5.1 6.1 7.1 8.1 9.1 10.1 11.1 12.1 13.1 14.1 15.1 16.1 17.1 18.1 19.1 20.1 21.1 22.1 23.1 24.1 25.1 26.1 27.1 28.1 29.1 30.1 31.1 32.1 33.1 34.1 35.1 36.1 37.1 38.1 39.1 40.1 41.1 42.1 43.1 44.1 45.1 46.1 47.1 48.1 49.1 50.1 51.1 52.1 53.1 54.1 55.1 56.1 "Slave #1.9" "Slave #2.9" "Slave #3.9" "Slave #4.9" C1.2 C2.2 C3.2 C4.2 J7.03 R2.1 R4.1 R6.1 R8.1 R10.1 R12.1 R14.1 R18.1 R20.1 R22.1 R23.1 R25.1
Net1_2: 1.2 "Slave #3.11" Q2.1 | length 1581.5
  Top Layer w10: Q2.1@7450,15981.1 7450,16100 ; 1.2@7450,16234.82 7450,16100 ; v2(7550,16100) 7450,16100
  Middle 2 w10: 7000,17100 7000,17050 7550,16500 v2(7550,16100)
Net2_2: 2.2 "Slave #3.12" Q3.1 | length 1496.4
  Top Layer w10: Q3.1@7100,15981.1 7100,16107.96 ; 2.2@7100,16234.82 7100,16107.96 ; v2(7200,16100) 7107.96,16100 7100,16107.96
  Middle 2 w10: 6900,17100 6900,16862.93 6955.5,16807.43 6955.5,16781.57 6981.57,16755.5 7007.43,16755.5 7200,16562.93 v2(7200,16100)
Net3_2: 3.2 "Slave #3.13" Q4.1 | length 1324.4
  Top Layer w10: Q4.1@6750,15981.1 6750,16150 ; 3.2@6750,16234.82 6750,16150 ; v2(6850,16150) 6750,16150
  Middle 2 w10: 6800,17100 6850,17050 v2(6850,16150)
Net4_2: 4.2 "Slave #3.14" Q5.1 | length 1529.5
  Top Layer w10: Q5.1@6400,15981.1 6400,16150 ; 4.2@6400,16234.82 6400,16150 ; v2(6500,16150) 6400,16150
  Middle 2 w10: v2(6500,16150) 6550,16200 6550,16749.64 6555.86,16755.5 6718.43,16755.5 6744.5,16781.57 6744.5,16818.43 6718.43,16844.5 6700,16844.5 6700,17100
Net5_2: 5.2 "Slave #3.15" Q6.1 | length 1505.3
  Top Layer w10: Q6.1@6050,15981.1 6050,16150 ; 5.2@6050,16234.82 6050,16150 ; v2(6150,16150) 6050,16150
  Middle 2 w10: v2(6150,16150) 6150,16506.4 6399.1,16755.5 6418.43,16755.5 6450,16787.07 6450,16812.93 6481.57,16844.5 6488.1,16844.5 6600,16956.4 6600,17100
Net6_2: 6.2 "Slave #3.16" Q7.1 | length 1710.8
  Top Layer w10: Q7.1@5700,15981.1 5700,16150 ; 6.2@5700,16234.82 5700,16150 ; v2(5800,16150) 5700,16150
  Middle 2 w10: v2(5800,16150) 5800,16450 6194.5,16844.5 6394.5,16844.5 6500,16950 6500,17100
Net7_2: 7.2 "Slave #1.11" Q9.1 | length 1440.1
  Top Layer w10: Q9.1@2150,15981.1 2150,16150 ; 7.2@2150,16234.82 2150,16150 ; v2(2200,16150) 2150,16150
  Middle 2 w10: 1750,17100 2200,16650 v2(2200,16150)
Net8_2: 8.2 "Slave #1.12" Q10.1 | length 1357.3
  Top Layer w10: Q10.1@1850,15981.1 1850,16150 ; 8.2@1850,16234.82 1850,16150 ; v2(1900,16150) 1850,16150
  Middle 2 w10: 1650,17100 1900,16850 v2(1900,16150)
Net9_2: 9.2 "Slave #1.13" Q11.1 | length 1274.4
  Top Layer w10: Q11.1@1550,15981.1 1550,16150 ; 9.2@1550,16234.82 1550,16150 ; v2(1600,16150) 1550,16150
  Middle 2 w10: 1550,17100 1600,17050 v2(1600,16150)
Net10_2: 10.2 "Slave #1.14" Q12.1 | length 1365.8
  Top Layer w10: Q12.1@1200,15981.1 1200,16150 ; 10.2@1200,16234.82 1200,16150 ; v2(1300,16150) 1200,16150
  Middle 2 w10: v2(1300,16150) 1300,16812.93 1450,16962.93 1450,17100
Net11_2: 11.2 "Slave #1.15" Q13.1 | length 1469.4
  Top Layer w10: Q13.1@850,15981.1 850,16150 ; 11.2@850,16234.82 850,16150 ; v2(950,16150) 850,16150
  Middle 2 w10: v2(950,16150) 1105.5,16305.5 1105.5,16855.5 1350,17100
Net12_2: 12.2 "Slave #1.16" Q14.1 | length 1748.7
  Top Layer w10: Q14.1@500,15981.1 500,16150 ; 12.2@500,16234.82 500,16150 ; v2(600,16150) 500,16150
  Middle 2 w10: v2(600,16150) 600,16750 750,16900 1050,16900 1250,17100
Net13_2: 13.2 "Slave #3.10" Q1.1 | length 1693.7
  Top Layer w10: Q1.1@7800,15981.1 7800,16150 ; 13.2@7800,16234.82 7800,16150 ; v2(7900,16150) 7800,16150
  Middle 2 w10: 7100,17100 7200,17100 7900,16400 v2(7900,16150)
Net14_2: 14.2 "Slave #1.10" Q8.1 | length 1593.7
  Top Layer w10: Q8.1@2450,15981.1 2450,16150 ; 14.2@2450,16234.82 2450,16150 ; v2(2550,16150) 2450,16150
  Middle 2 w10: 1850,17100 2550,16400 v2(2550,16150)
Net15_2: 15.2 Q2.2 | length 227.6
  Top Layer w10: 15.2@7300,16188 7300,16100 7350,16050 Q2.2@7350,15981.1
Net16_2: 16.2 Q3.2 | length 227.6
  Top Layer w10: 16.2@6950,16188 6950,16100 7000,16050 Q3.2@7000,15981.1
Net17_2: 17.2 Q4.2 | length 227.6
  Top Layer w10: 17.2@6600,16188 6600,16100 6650,16050 Q4.2@6650,15981.1
Net18_2: 18.2 Q5.2 | length 227.6
  Top Layer w10: 18.2@6250,16188 6250,16100 6300,16050 Q5.2@6300,15981.1
Net19_2: 19.2 Q6.2 | length 227.6
  Top Layer w10: 19.2@5900,16188 5900,16100 5950,16050 Q6.2@5950,15981.1
Net20_2: 20.2 Q7.2 | length 227.6
  Top Layer w10: 20.2@5550,16188 5550,16100 5600,16050 Q7.2@5600,15981.1
Net21_2: 21.2 Q9.2 | length 227.6
  Top Layer w10: 21.2@2000,16188 2000,16100 2050,16050 Q9.2@2050,15981.1
Net22_2: 22.2 Q10.2 | length 227.6
  Top Layer w10: 22.2@1700,16188 1700,16100 1750,16050 Q10.2@1750,15981.1
Net23_2: 23.2 Q11.2 | length 227.6
  Top Layer w10: 23.2@1400,16188 1400,16100 1450,16050 Q11.2@1450,15981.1
Net24_2: 24.2 Q12.2 | length 227.6
  Top Layer w10: 24.2@1050,16188 1050,16100 1100,16050 Q12.2@1100,15981.1
Net25_2: 25.2 Q13.2 | length 227.6
  Top Layer w10: 25.2@700,16188 700,16100 750,16050 Q13.2@750,15981.1
Net26_2: 26.2 Q14.2 | length 227.6
  Top Layer w10: 26.2@350,16188 350,16100 400,16050 Q14.2@400,15981.1
Net27_2: 27.2 Q1.2 | length 227.6
  Top Layer w10: 27.2@7650,16188 7650,16100 7700,16050 Q1.2@7700,15981.1
Net28_2: 28.2 Q8.2 | length 227.6
  Top Layer w10: 28.2@2300,16188 2300,16100 2350,16050 Q8.2@2350,15981.1
Net29_2: 29.2 "Slave #2.10" Q17.1 | length 1593.7
  Top Layer w10: Q17.1@5150,15981.1 5150,16150 ; 29.2@5150,16234.82 5150,16150 ; v2(5250,16150) 5150,16150
  Middle 2 w10: 4550,17100 4550,16969.99 5250,16269.99 v2(5250,16150)
Net30_2: 30.2 "Slave #2.11" Q18.1 | length 1491.1
  Top Layer w10: Q18.1@4800,15981.1 4800,16152.3 ; 30.2@4800,16234.82 4800,16152.3 ; v2(4900,16150) 4897.7,16152.3 4800,16152.3
  Middle 2 w10: 4450,17100 4450,17000 4900,16550 v2(4900,16150)
Net31_2: 31.2 "Slave #2.12" Q19.1 | length 1381.7
  Top Layer w10: Q19.1@4450,15981.1 4450,16150 ; 31.2@4450,16234.82 4450,16150 ; v2(4547.47,16152.2) 4545.26,16150 4450,16150
  Middle 2 w10: 4350,17100 4350,16962.93 4494.5,16818.43 4494.5,16605.5 4547.47,16552.53 v2(4547.47,16152.2)
Net32_2: 32.2 "Slave #2.13" Q20.1 | length 1324.4
  Top Layer w10: Q20.1@4100,15981.1 4100,16150 ; 32.2@4100,16234.82 4100,16150 ; v2(4200,16150) 4100,16150
  Middle 2 w10: v2(4200,16150) 4200,17050 4250,17100
Net33_2: 33.2 "Slave #2.14" Q21.1 | length 1428
  Top Layer w10: Q21.1@3750,15981.1 3750,16150 ; 33.2@3750,16234.82 3750,16150 ; v2(3850,16150) 3750,16150
  Middle 2 w10: v2(3850,16150) 3850,16486.77 4094.5,16731.27 4094.5,16807.43 4150,16862.93 4150,17100
Net34_2: 34.2 "Slave #2.15" Q22.1 | length 1531.5
  Top Layer w10: Q22.1@3400,15981.1 3400,16150 ; 34.2@3400,16234.82 3400,16150 ; v2(3500,16150) 3400,16150
  Middle 2 w10: v2(3500,16150) 3500,16350 3905.5,16755.5 3905.5,16818.43 4050,16962.93 4050,17100
Net35_2: 35.2 "Slave #2.16" Q23.1 | length 1627.3
  Top Layer w10: Q23.1@3050,15981.1 3050,16150 ; 35.2@3050,16234.82 3050,16150 ; v2(3100,16150) 3050,16150
  Middle 2 w10: v2(3100,16150) 3100,16286.77 3905.5,17092.27 3942.27,17092.27 3950,17100
Net36_2: 36.2 "Slave #4.12" Q26.1 | length 1448.7
  Top Layer w10: Q26.1@9750,15981.1 9750,16150 ; 36.2@9750,16234.82 9750,16150 ; v2(9850,16150) 9750,16150
  Middle 2 w10: 9500,17100 9850,16750 v2(9850,16150)
Net37_2: 37.2 "Slave #4.13" Q27.1 | length 1345.1
  Top Layer w10: Q27.1@9400,15981.1 9400,16150 ; 37.2@9400,16234.82 9400,16150 ; v2(9500,16150) 9400,16150
  Middle 2 w10: 9400,17100 9400,16862.93 9450,16812.93 9450,16200 v2(9500,16150)
Net38_2: 38.2 "Slave #4.14" Q28.1 | length 1365.8
  Top Layer w10: Q28.1@9050,15981.1 9050,16150 ; 38.2@9050,16234.82 9050,16150 ; v2(9150,16150) 9050,16150
  Middle 2 w10: v2(9150,16150) 9250,16250 9250,17050 9300,17100
Net39_2: 39.2 "Slave #4.15" Q29.1 | length 1469.4
  Top Layer w10: Q29.1@8700,15981.1 8700,16150 ; 39.2@8700,16234.82 8700,16150 ; v2(8800,16150) 8700,16150
  Middle 2 w10: v2(8800,16150) 8800,16500 9044.5,16744.5 9044.5,16894.5 9200,17050 9200,17100
Net40_2: 40.2 "Slave #4.16" Q30.1 | length 1594.5
  Top Layer w10: Q30.1@8350,15981.1 8350,16150 ; 40.2@8350,16234.82 8350,16150 ; v2(8450,16150) 8350,16150
  Middle 2 w10: v2(8450,16150) 8450,16486.77 9055.5,17092.27 9092.27,17092.27 9100,17100
Net41_2: 41.2 "Slave #4.10" Q24.1 | length 1655.8
  Top Layer w10: Q24.1@10450,15981.1 10450,16150 ; 41.2@10450,16234.82 10450,16150 ; v2(10550,16150) 10450,16150
  Middle 2 w10: 9700,17100 9700,17050 10550,16200 v2(10550,16150)
Net42_2: 42.2 "Slave #4.11" Q25.1 | length 1552.2
  Top Layer w10: Q25.1@10100,15981.1 10100,16150 ; 42.2@10100,16234.82 10100,16150 ; v2(10200,16150) 10100,16150
  Middle 2 w10: 9600,17100 9600,17028.28 10200,16428.28 v2(10200,16150)
Net43_2: 43.2 Q17.2 | length 227.6
  Top Layer w10: 43.2@5000,16188 5000,16100 5050,16050 Q17.2@5050,15981.1
Net44_2: 44.2 Q18.2 | length 227.6
  Top Layer w10: 44.2@4650,16188 4650,16100 4700,16050 Q18.2@4700,15981.1
Net45_2: 45.2 Q19.2 | length 227.6
  Top Layer w10: 45.2@4300,16188 4300,16100 4350,16050 Q19.2@4350,15981.1
Net46_2: 46.2 Q20.2 | length 227.6
  Top Layer w10: 46.2@3950,16188 3950,16100 4000,16050 Q20.2@4000,15981.1
Net47_2: 47.2 Q21.2 | length 227.6
  Top Layer w10: 47.2@3600,16188 3600,16100 3650,16050 Q21.2@3650,15981.1
Net48_2: 48.2 Q22.2 | length 227.6
  Top Layer w10: 48.2@3250,16188 3250,16100 3300,16050 Q22.2@3300,15981.1
Net49_2: 49.2 Q23.2 | length 227.6
  Top Layer w10: 49.2@2900,16188 2900,16100 2950,16050 Q23.2@2950,15981.1
Net50_2: 50.2 Q26.2 | length 227.6
  Top Layer w10: 50.2@9600,16188 9600,16127.1 9650,16077.1 Q26.2@9650,15981.1
Net51_2: 51.2 Q27.2 | length 227.6
  Top Layer w10: 51.2@9250,16188 9250,16127.1 9300,16077.1 Q27.2@9300,15981.1
Net52_2: 52.2 Q28.2 | length 227.6
  Top Layer w10: 52.2@8900,16188 8900,16100 8950,16050 Q28.2@8950,15981.1
Net53_2: 53.2 Q29.2 | length 227.6
  Top Layer w10: 53.2@8550,16188 8550,16127.1 8600,16077.1 Q29.2@8600,15981.1
Net54_2: 54.2 Q30.2 | length 227.6
  Top Layer w10: 54.2@8200,16188 8200,16100 8250,16050 Q30.2@8250,15981.1
Net55_2: 55.2 Q24.2 | length 227.6
  Top Layer w10: 55.2@10300,16188 10300,16150 10350,16100 Q24.2@10350,15981.1
Net56_2: 56.2 Q25.2 | length 227.6
  Top Layer w10: 56.2@9950,16188 9950,16127.1 10000,16077.1 Q25.2@10000,15981.1
NetCR1_2: CR1.2 K1.1_1 K1.1_2 Q16.16 | length 2519.2
  Top Layer w20: Q16.16@1575,14942.75 1575,14875.54 1600,14850.54 v3(1600,14850)
  Middle 1 w20: K1.1_1@1400,12998.82 K1.1_2@1400,13201.97 1400,13308.08 1741.92,13650 v1(1750,13650) ; v3(1600,14850) 1707.72,14850 2100,14457.72 CR1.2@2100,14073
  Middle 2 w20: v1(1750,13650) 2100,14000 CR1.2@2100,14073
NetCR2_2: CR2.2 K2.1_1 K2.1_2 Q16.15 | length 5834
  Top Layer w20: Q16.15@1525,14942.75 1525,14881.57 1550,14856.57 v3(1550,14800)
  Middle 1 w20: K2.1_1@1400,9548.82 1400,9751.97 1300,9851.97 1300,13350 v1(1600,13650) ; v3(1550,14800) 1833,14517 1833,14504.72 1844.72,14493 1857,14493 1885,14465 CR2.2@1885,14068
  Middle 2 w20: v1(1600,13650) 1885,13935 CR2.2@1885,14068
NetCR3_2: CR3.2 K3.1_1 K3.1_2 Q16.14 | length 9298.4
  Top Layer w20: Q16.14@1475,14942.75 1475,14875.54 1500,14850.54 v3(1500,14850)
  Middle 1 w20: K3.1_1@1400,5948.82 K3.1_2@1400,6151.97 1250,6301.97 1250,13450 v1(1450,13650) ; v3(1500,14850) 1500,14695.82 1507,14688.82 1507,14593 1655,14445 CR3.2@1655,14068
  Middle 2 w20: v1(1450,13650) 1655,13855 CR3.2@1655,14068
NetCR4_2: CR4.2 K4.1_1 K4.1_2 Q16.13 | length 12913.1
  Top Layer w20: Q16.13@1425,14942.75 1425,14825.54 1450,14800.54 v3(1450,14800)
  Middle 1 w20: v1(1300,13650) 1300,13592.43 1200,13492.43 1200,2651.97 K4.1_2@1400,2451.97 K4.1_1@1400,2248.82 ; CR4.2@1425,14068 1477,14120 1477,14585.28 1450,14612.28 v3(1450,14800)
  Middle 2 w20: v1(1300,13650) 1300,13943 CR4.2@1425,14068
NetCR5_2: CR5.2 K5.1 K5.2 Q16.12 | length 3552.3
  Top Layer w20: v3(1350,14850) 1350,14850.54 1375,14875.54 Q16.12@1375,14942.75
  Middle 1 w20: v3(1350,14850) 1350,14223 CR5.2@1195,14068 1313,13950 2636.36,13950 3150,13436.36 K5.1@3150,13253 K5.2@3150,13050
NetCR6_2: CR6.2 K6.1 K6.2 Q16.11 | length 7042.7
  Top Layer w20: v3(1300,14800) 1300,14856.57 1325,14881.57 Q16.11@1325,14942.75
  Middle 1 w20: v3(1300,14800) 1100,14600 1100,14203 CR6.2@965,14068 1133,13900 2150,13900 2250,13800 2250,12950 2845,12355 2845,11405 3150,11100 K6.1@3150,9753 K6.2@3150,9550
NetCR7_2: CR7.2 K7.1 K7.2 Q16.10 | length 11037.8
  Top Layer w20: v3(1250,14850) 1275,14875 Q16.10@1275,14942.75
  Middle 1 w20: v3(1250,14850) 1100,14700 900,14700 850,14650 850,14183 CR7.2@735,14068 953,13850 2013.64,13850 2100,13763.64 2100,13050 1940,12890 1940,7981.66 3150,6771.66 K7.1@3150,6203 K7.2@3150,6000
NetCR8_2: CR8.2 K8.1 K8.2 Q31.16 | length 15527.8
  Top Layer w20: Q31.16@3525,14942.75 3525,14880.41 3550,14855.41 v3(3550,14850)
  Middle 1 w20: v1(1900,13700) 1900,13634.85 1840,13574.85 1840,4475.15 3150,3165.15 K8.1@3150,2503 K8.2@3150,2300 ; v3(3550,14850) 3700,14850 4105,14445 CR8.2@4105,14068
  Middle 2 w20: v1(1900,13700) 3737,13700 CR8.2@4105,14068
NetCR9_2: CR9.2 K9.1 K9.2 Q31.15 | length 8512.9
  Top Layer w20: Q31.15@3475,14942.75 3475,14881.57 3500,14856.57 v3(3500,14800)
  Middle 1 w20: v1(2350,13750) 2295,13695 2295,12947.43 2875,12367.43 2875,11425 3150,11150 3603,11150 K9.1@5000,9753 K9.2@5000,9550 ; v3(3500,14800) 3875,14425 CR9.2@3875,14068
  Middle 2 w20: v1(2350,13750) 2601.18,13750 2606.18,13745 3552,13745 CR9.2@3875,14068
  Bottom Layer w20: K9.2@5000,9550 K9.1@5000,9753
NetCR10_2: CR10.2 K10.1 K10.2 Q31.14 | length 16308.5
  Top Layer w20: Q31.14@3425,14942.75 3425,14880.41 3450,14855.41 v3(3450,14850)
  Middle 1 w20: v1(2050,13750) 2050,13742.43 1870,13562.43 1870,4487.57 2257.57,4100 3381.5,4100 K10.1@4997,2484.5 K10.2@4997,2281.5 ; v3(3450,14850) 3450,14650 3593,14507 3593,14504.72 3604.72,14493 3607,14493 3645,14455 CR10.2@3645,14068
  Middle 2 w20: v1(2050,13750) 2200,13750 2245,13795 2598.6,13795 2618.6,13775 3525,13775 3645,13895 CR10.2@3645,14068
NetCR11_2: CR11.2 K11.1 K11.2 Q31.13 | length 3148.6
  Top Layer w20: Q31.13@3375,14942.75 3375,14830.41 3400,14805.41 v3(3400,14800)
  Middle 1 w20: v3(3400,14800) 3400,14602.28 3417,14585.28 3417,14120 CR11.2@3365,14068 3365,13985 3500,13850 4387.5,13850 K11.1@5003,13234.5 K11.2@5003,13031.5